# Altium PCB ZYNQ-7000_SOM_Bd.PcbDoc (part 4 of 6)
Units mm, origin at the board's own origin, x right, y up, seen from the top; angles counter-clockwise.
Board outline 69.6 x 45 mm, 8 copper layers (L1 (Sig), L2 (GND), L3 (PWR), L4 (Sig), L5 (GND), L6 (Sig), L7 (GND), L8 (Sig)), stack 1.188 mm thick; 246 components, 201 nets, 1392 pads, 883 vias.
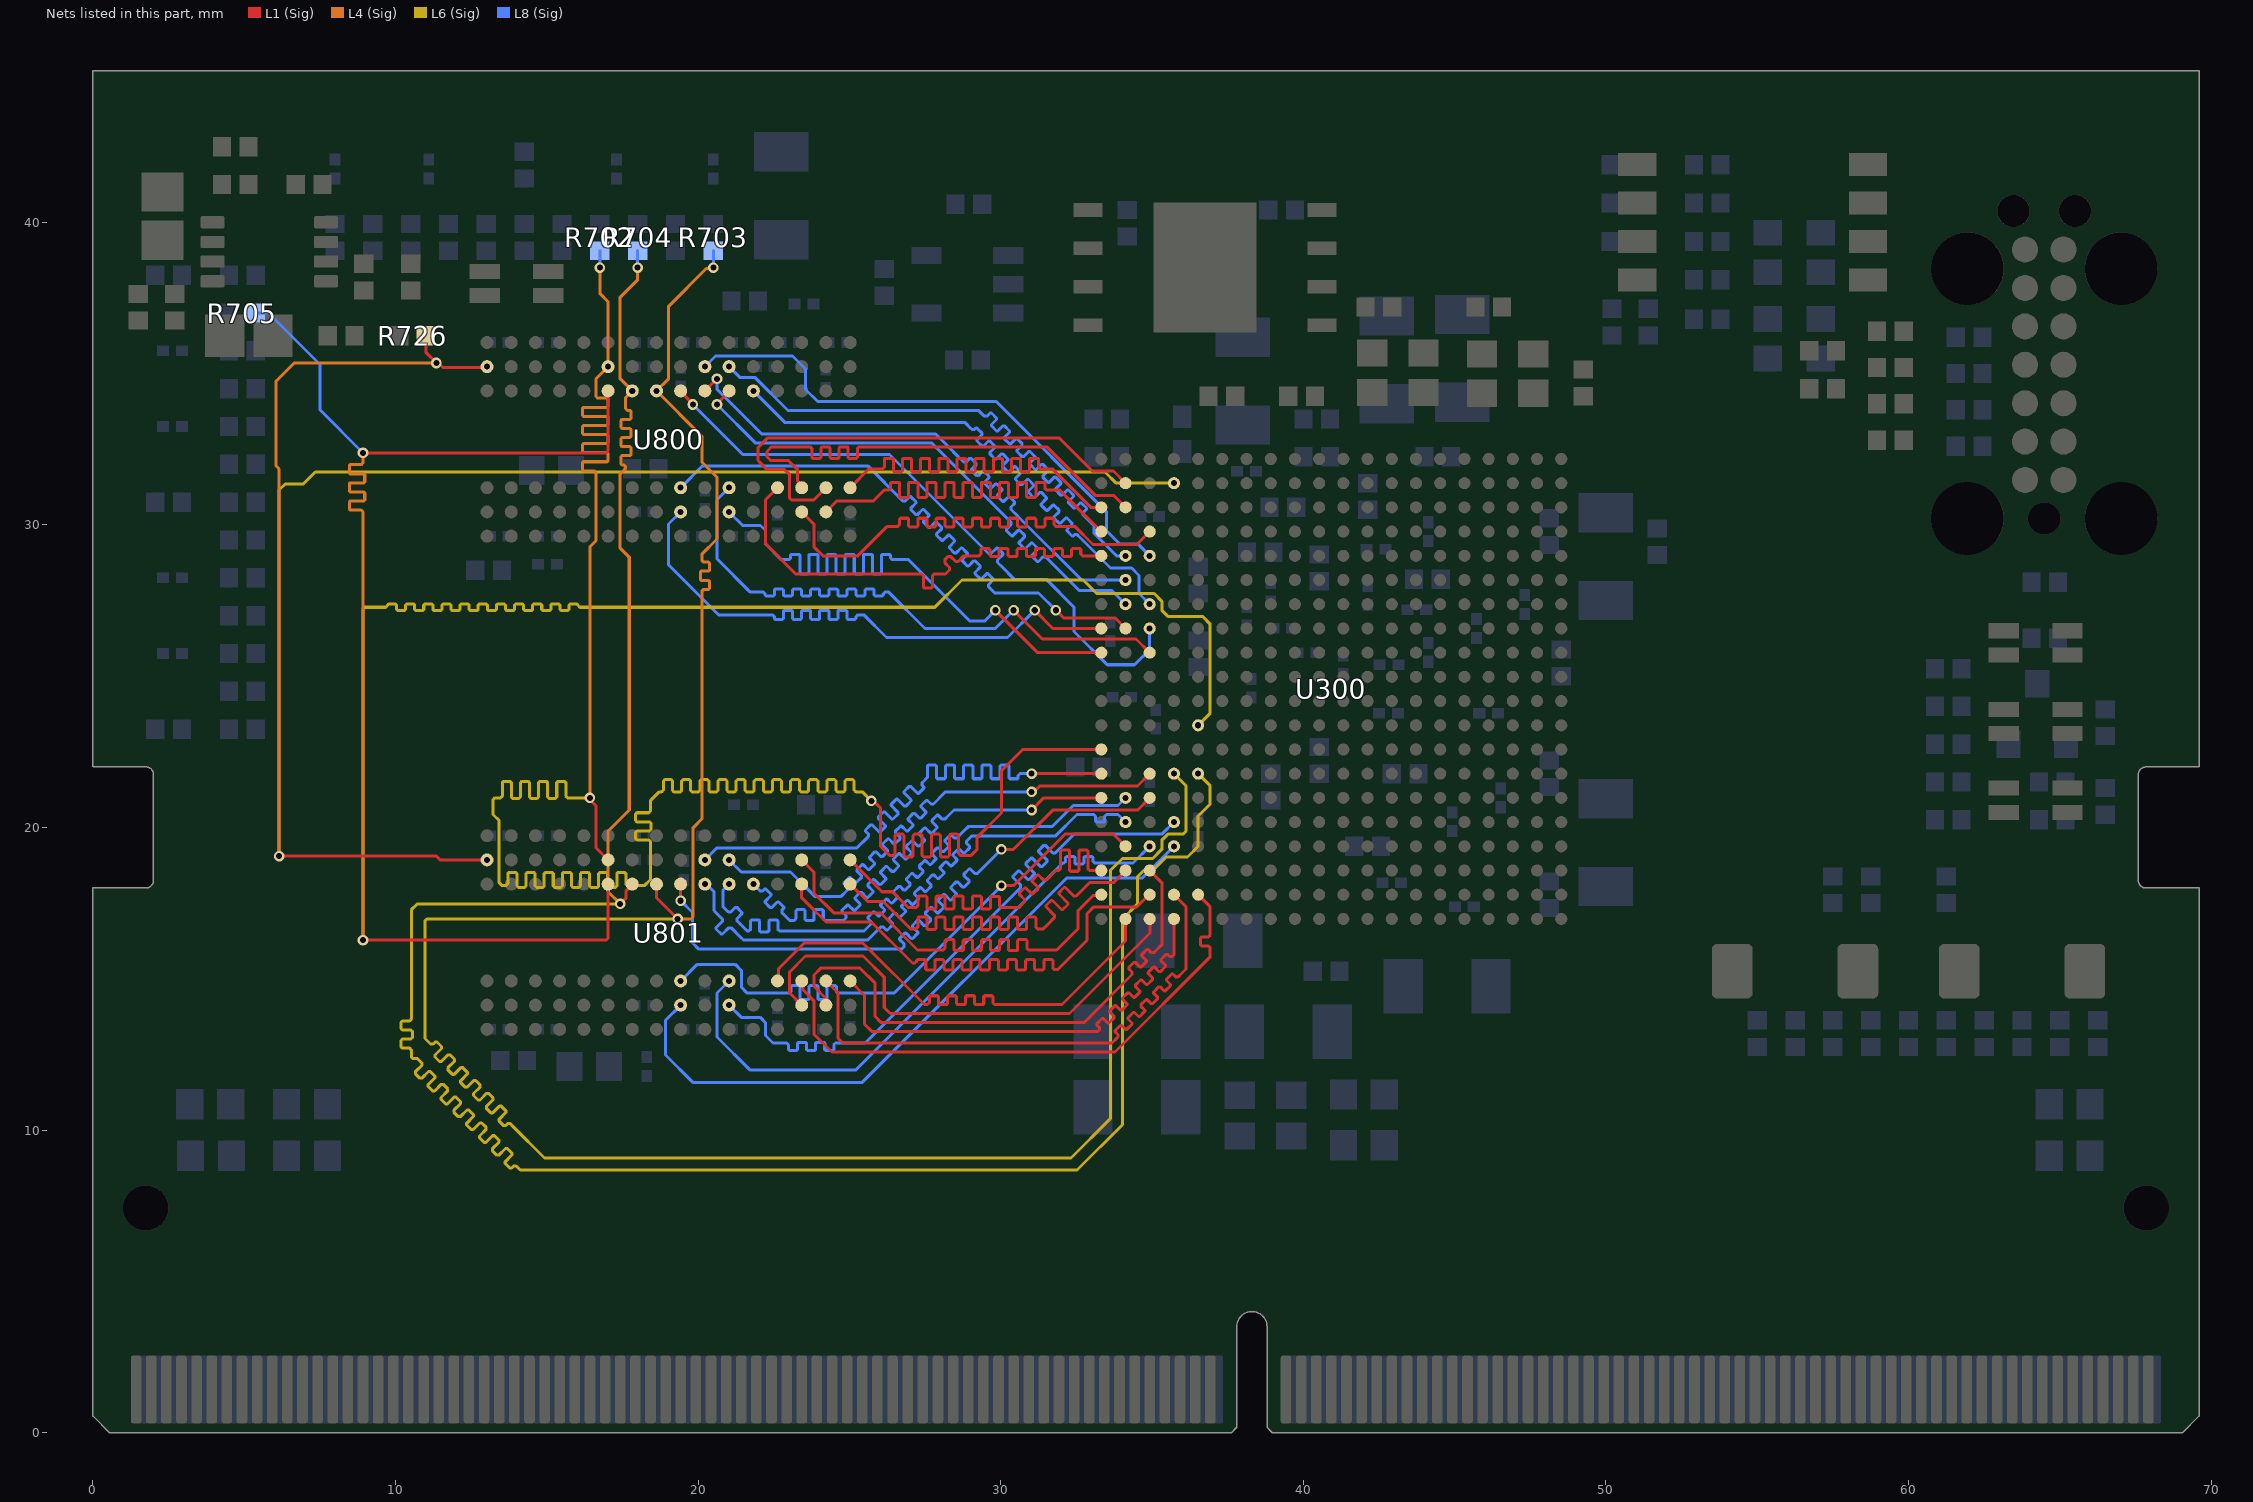
[diagram p10: the nets of this part, all layers, seen from the top]

## Via types
v1: diameter 0.35, hole 0.2, L1 (Sig) to L8 (Sig), tented both sides, 876 vias
v2: diameter 0.45, hole 0.3, L1 (Sig) to L8 (Sig), tented both sides, 7 vias

## Nets (pads, with @x,y where several pads share a name; then routed paths per layer and width w, separated by ;. In a path a pad name is that pad's centre, name@x,y a point inside that pad or via, vN(x,y) a via of type N, cw(c..) or ccw(c..) an arc to the next point about the centre after c; other vN are vias at no path point) (continued)
DDR_DQ4: U300.D3 U800.C8 | length 17.8
  L1 (Sig) w0.1: U800.C8@23.423,30.427 23.823,30.027 23.823,29.277 24.123,28.977 25.277,28.977 26.25,29.95 26.55,29.95 26.6,29.95 26.659,30.009 26.659,30.188 26.689,30.218 26.929,30.218 26.959,30.188 26.959,29.965 26.989,29.935 27.229,29.935 27.259,29.965 27.259,30.188 27.289,30.218 27.529,30.218 27.559,30.188 27.559,29.965 27.589,29.935 27.829,29.935 27.859,29.965 27.859,30.188 27.889,30.218 28.129,30.218 28.159,30.188 28.159,29.965 28.189,29.935 28.429,29.935 28.459,29.965 28.459,30.188 28.489,30.218 28.729,30.218 28.759,30.188 28.759,29.965 28.789,29.935 29.029,29.935 29.059,29.965 29.059,30.188 29.089,30.218 29.329,30.218 29.359,30.188 29.359,29.965 29.389,29.935 29.629,29.935 29.659,29.965 29.659,30.188 29.689,30.218 29.929,30.218 29.959,30.188 29.959,29.965 29.989,29.935 30.229,29.935 30.259,29.965 30.259,30.188 30.289,30.218 30.529,30.218 30.559,30.188 30.559,29.965 30.589,29.935 30.829,29.935 30.859,29.965 30.859,30.188 30.889,30.218 31.129,30.218 31.159,30.188 31.159,29.965 31.189,29.935 31.429,29.935 31.459,29.965 31.459,30.188 31.489,30.218 31.729,30.218 31.759,30.188 31.759,30.009 31.817,29.95 32.15,29.95 32.45,29.95 33.05,29.35 34.496,29.35 U300.D3@34.923,29.777
DDR_DQ5: U300.D1 U800.B8 | length 17.9
  L1 (Sig) w0.1: U800.B8@24.223,30.427 24.588,30.792 25.792,30.792 26.15,31.15 26.25,31.15 26.3,31.15 26.359,31.209 26.359,31.375 26.389,31.405 26.629,31.405 26.659,31.375 26.659,30.932 26.689,30.902 26.929,30.902 26.959,30.932 26.959,31.375 26.989,31.405 27.229,31.405 27.259,31.375 27.259,30.932 27.289,30.902 27.529,30.902 27.559,30.932 27.559,31.375 27.589,31.405 27.829,31.405 27.859,31.375 27.859,30.932 27.889,30.902 28.129,30.902 28.159,30.932 28.159,31.375 28.189,31.405 28.429,31.405 28.459,31.375 28.459,30.932 28.489,30.902 28.729,30.902 28.759,30.932 28.759,31.375 28.789,31.405 29.029,31.405 29.059,31.375 29.059,30.932 29.089,30.902 29.329,30.902 29.359,30.932 29.359,31.375 29.389,31.405 29.629,31.405 29.659,31.375 29.659,30.932 29.689,30.902 29.929,30.902 29.959,30.932 29.959,31.375 29.989,31.405 30.229,31.405 30.259,31.375 30.259,30.932 30.289,30.902 30.529,30.902 30.559,30.932 30.559,31.375 30.589,31.405 30.829,31.405 30.859,31.375 30.859,30.932 30.889,30.902 31.129,30.902 31.159,30.932 31.159,31.375 31.189,31.405 31.429,31.405 31.459,31.375 31.459,31.209 31.517,31.15 31.85,31.15 31.95,31.15 32.35,30.75 U300.D1@33.323,29.777
DDR_DQ6: U300.C1 U800.A7 | length 16.3
  L1 (Sig) w0.1: U800.A7@25.023,31.227 25.646,31.85 26.044,31.85 26.094,31.85 26.152,31.909 26.152,32.168 26.182,32.198 26.422,32.198 26.452,32.168 26.452,31.782 26.482,31.752 26.722,31.752 26.752,31.782 26.752,32.168 26.782,32.198 27.022,32.198 27.052,32.168 27.052,31.782 27.082,31.752 27.322,31.752 27.352,31.782 27.352,32.168 27.382,32.198 27.622,32.198 27.652,32.168 27.652,31.782 27.682,31.752 27.922,31.752 27.952,31.782 27.952,32.168 27.982,32.198 28.222,32.198 28.252,32.168 28.252,31.782 28.282,31.752 28.522,31.752 28.552,31.782 28.552,32.168 28.582,32.198 28.822,32.198 28.852,32.168 28.852,31.782 28.882,31.752 29.122,31.752 29.152,31.782 29.152,32.168 29.182,32.198 29.422,32.198 29.452,32.168 29.452,31.782 29.482,31.752 29.722,31.752 29.752,31.782 29.752,32.168 29.782,32.198 30.022,32.198 30.052,32.168 30.052,31.782 30.082,31.752 30.322,31.752 30.352,31.782 30.352,32.168 30.382,32.198 30.622,32.198 30.652,32.168 30.652,31.782 30.682,31.752 30.922,31.752 30.952,31.782 30.952,32.168 30.982,32.198 31.222,32.198 31.252,32.168 31.252,31.909 31.311,31.85 31.45,31.85 31.7,31.85 32.972,30.577 U300.C1@33.323,30.577
DDR_DQ7: U300.E1 U800.D7 | length 17.8
  L1 (Sig) w0.1: U800.D7@22.623,31.227 22.223,30.827 22.223,29.377 23.223,28.377 26.75,28.377 27.383,28.377 27.441,28.319 27.441,27.942 27.471,27.912 27.711,27.912 27.741,27.942 27.741,28.319 27.8,28.377 27.85,28.377 28.177,28.377 28.309,28.509 28.309,28.591 28.15,28.75 28.15,28.85 28.25,28.95 28.35,28.95 28.508,28.792 28.591,28.792 28.777,28.977 28.871,28.977 29.285,28.977 29.343,29.036 29.343,29.188 29.373,29.218 29.613,29.218 29.643,29.188 29.643,28.989 29.673,28.959 29.913,28.959 29.943,28.989 29.943,29.188 29.973,29.218 30.213,29.218 30.243,29.188 30.243,28.989 30.273,28.959 30.513,28.959 30.543,28.989 30.543,29.188 30.573,29.218 30.813,29.218 30.843,29.188 30.843,28.989 30.873,28.959 31.113,28.959 31.143,28.989 31.143,29.188 31.173,29.218 31.413,29.218 31.443,29.188 31.443,28.989 31.473,28.959 31.713,28.959 31.743,28.989 31.743,29.188 31.773,29.218 32.013,29.218 32.043,29.188 32.043,28.989 32.073,28.959 32.313,28.959 32.343,28.989 32.343,29.188 32.373,29.218 32.613,29.218 32.643,29.188 32.643,29.036 32.702,28.977 33.002,28.977 33.052,28.977 U300.E1@33.323,28.977
DDR_DQ8: U300.E2 U800.F2 | length 19.9
  L8 (Sig) w0.1: v1(21.023,35.227) 21.375,34.875 21.873,34.875 22.971,33.777 28.6,33.777 ; 28.6,33.775 29.275,33.775 29.425,33.625 29.46,33.59 29.543,33.59 29.649,33.696 29.692,33.696 29.861,33.526 29.861,33.483 29.692,33.314 29.692,33.271 29.861,33.102 29.904,33.102 30.073,33.271 30.116,33.271 30.286,33.102 30.286,33.059 30.116,32.889 30.116,32.847 30.286,32.677 30.328,32.677 30.498,32.847 30.54,32.847 30.71,32.677 30.71,32.635 30.54,32.465 30.54,32.423 30.71,32.253 30.752,32.253 30.922,32.423 30.964,32.423 31.134,32.253 31.134,32.211 30.964,32.041 30.964,31.999 31.134,31.829 31.176,31.829 31.346,31.999 31.389,31.999 31.558,31.829 31.558,31.786 31.389,31.617 31.389,31.574 31.558,31.405 31.601,31.405 31.77,31.574 31.813,31.574 31.983,31.405 31.983,31.362 31.813,31.192 31.813,31.15 31.983,30.98 32.025,30.98 32.195,31.15 32.237,31.15 32.407,30.98 32.407,30.938 32.237,30.768 32.237,30.726 32.407,30.556 32.449,30.556 32.619,30.726 32.661,30.726 32.831,30.556 32.831,30.514 32.725,30.408 32.725,30.325 32.963,30.088 33.088,29.963 33.088,29.713 33.823,28.977 v1(34.123,28.977)
DDR_DQ9: U300.E3 U800.G2 | length 18.3
  L8 (Sig) w0.1: v1(20.223,35.227) 20.575,35.579 23.121,35.579 23.55,35.15 23.55,34.475 23.95,34.075 29.1,34.075 29.85,34.075 33.488,30.438 33.488,29.813 33.925,29.375 34.525,29.375 v1(34.923,28.977)
DDR_DQ10: U300.G3 U800.E3 | length 20.5
  L8 (Sig) w0.1: v1(21.823,34.427) 22.875,33.375 28.825,33.375 29.013,33.188 29.048,33.152 29.131,33.152 29.174,33.196 29.217,33.196 29.386,33.026 29.386,32.983 29.217,32.814 29.217,32.771 29.386,32.602 29.429,32.602 29.598,32.771 29.641,32.771 29.811,32.602 29.811,32.559 29.641,32.389 29.641,32.347 29.811,32.177 29.853,32.177 30.023,32.347 30.065,32.347 30.235,32.177 30.235,32.135 30.065,31.965 30.065,31.923 30.235,31.753 30.277,31.753 30.447,31.923 30.489,31.923 30.659,31.753 30.659,31.711 30.489,31.541 30.489,31.499 30.659,31.329 30.701,31.329 30.871,31.499 30.914,31.499 31.083,31.329 31.083,31.286 30.914,31.117 30.914,31.074 31.083,30.905 31.126,30.905 31.295,31.074 31.338,31.074 31.508,30.905 31.508,30.862 31.338,30.692 31.338,30.65 31.508,30.48 31.55,30.48 31.72,30.65 31.762,30.65 31.932,30.48 31.932,30.438 31.762,30.268 31.762,30.226 31.932,30.056 31.974,30.056 32.144,30.226 32.186,30.226 32.356,30.056 32.356,30.014 32.186,29.844 32.186,29.801 32.356,29.632 32.399,29.632 32.442,29.675 32.525,29.675 32.618,29.582 32.653,29.547 33.625,28.575 34.325,28.575 34.571,28.329 34.571,27.729 v1(34.923,27.377)
DDR_DQ11: U300.H3 U800.H3 | length 21.2
  L1 (Sig) w0.1: U800.H3@19.423,34.427 19.423,34.402 19.823,34.002 v1(19.823,33.977)
  L8 (Sig) w0.1: v1(19.823,33.977) 21.475,32.325 26.325,32.325 29.563,29.088 29.598,29.052 29.681,29.052 29.857,29.229 29.9,29.229 30.069,29.059 30.069,29.016 29.893,28.84 29.893,28.757 30.038,28.612 30.45,28.2 31.5,28.2 32.423,27.277 32.423,26.477 33.523,25.377 34.423,25.377 34.923,25.877 v1(34.923,26.577)
DDR_DQ12: U300.J3 U800.F7 | length 21
  L1 (Sig) w0.1: v1(30.423,27.177) 31.373,26.227 34.473,26.227 U300.J3@34.923,25.777
  L8 (Sig) w0.1: v1(21.023,31.227) 20.623,30.827 20.623,28.877 21.725,27.775 21.85,27.775 22.158,27.775 22.216,27.716 22.216,27.682 22.246,27.652 22.486,27.652 22.516,27.682 22.516,27.845 22.546,27.875 22.786,27.875 22.816,27.845 22.816,27.682 22.846,27.652 23.086,27.652 23.116,27.682 23.116,27.845 23.146,27.875 23.386,27.875 23.416,27.845 23.416,27.682 23.446,27.652 23.686,27.652 23.716,27.682 23.716,27.845 23.746,27.875 23.986,27.875 24.016,27.845 24.016,27.682 24.046,27.652 24.286,27.652 24.316,27.682 24.316,27.845 24.346,27.875 24.586,27.875 24.616,27.845 24.616,27.682 24.646,27.652 24.886,27.652 24.916,27.682 24.916,27.845 24.946,27.875 25.186,27.875 25.216,27.845 25.216,27.682 25.246,27.652 25.486,27.652 25.516,27.682 25.516,27.845 25.546,27.875 25.786,27.875 25.816,27.845 25.816,27.682 25.846,27.652 26.086,27.652 26.116,27.682 26.116,27.716 26.175,27.775 26.225,27.775 26.3,27.775 27.498,26.577 29.823,26.577 v1(30.423,27.177)
DDR_DQ13: U300.H2 U800.H7 | length 20.9
  L1 (Sig) w0.1: v1(31.823,27.177) 32.073,26.927 33.773,26.927 U300.H2@34.123,26.577
  L8 (Sig) w0.1: v1(19.423,31.227) 20.146,31.95 25.6,31.95 26.726,30.824 26.761,30.789 26.844,30.789 26.988,30.932 27.03,30.932 27.2,30.762 27.2,30.72 27.03,30.55 27.03,30.508 27.2,30.338 27.242,30.338 27.412,30.508 27.454,30.508 27.624,30.338 27.624,30.296 27.454,30.126 27.454,30.084 27.624,29.914 27.666,29.914 27.836,30.084 27.878,30.084 28.048,29.914 28.048,29.872 27.878,29.702 27.878,29.659 28.048,29.49 28.091,29.49 28.26,29.659 28.303,29.659 28.472,29.49 28.472,29.447 28.303,29.278 28.303,29.235 28.472,29.065 28.515,29.065 28.685,29.235 28.727,29.235 28.897,29.065 28.897,29.023 28.727,28.853 28.727,28.811 28.897,28.641 28.939,28.641 29.109,28.811 29.151,28.811 29.321,28.641 29.321,28.599 29.151,28.429 29.151,28.387 29.321,28.217 29.363,28.217 29.533,28.387 29.576,28.387 29.745,28.217 29.745,28.174 29.602,28.031 29.602,27.948 29.7,27.85 29.8,27.75 31.25,27.75 v1(31.823,27.177)
DDR_DQ14: U300.H1 U800.H8 | length 20.1
  L1 (Sig) w0.1: v1(31.123,27.177) 31.723,26.577 U300.H1@33.323,26.577
  L8 (Sig) w0.1: v1(19.423,30.427) 19.023,30.027 19.023,28.677 20.675,27.025 22.2,27.025 22.458,27.025 22.516,26.966 22.516,26.905 22.546,26.875 22.786,26.875 22.816,26.905 22.816,27.145 22.846,27.175 23.086,27.175 23.116,27.145 23.116,26.905 23.146,26.875 23.386,26.875 23.416,26.905 23.416,27.145 23.446,27.175 23.686,27.175 23.716,27.145 23.716,26.905 23.746,26.875 23.986,26.875 24.016,26.905 24.016,27.145 24.046,27.175 24.286,27.175 24.316,27.145 24.316,26.905 24.346,26.875 24.586,26.875 24.616,26.905 24.616,27.145 24.646,27.175 24.886,27.175 24.916,27.145 24.916,26.905 24.946,26.875 25.186,26.875 25.216,26.905 25.216,26.966 25.275,27.025 25.325,27.025 25.475,27.025 26.223,26.277 30.223,26.277 v1(31.123,27.177)
DDR_DQ15: U300.J1 U800.F8 | length 21.1
  L1 (Sig) w0.1: v1(29.823,27.177) 31.223,25.777 U300.J1@33.323,25.777
  L8 (Sig) w0.1: v1(21.023,30.427) 21.471,29.979 22.062,29.979 22.225,29.816 22.225,29.375 22.75,28.85 22.95,28.85 23,28.85 23.059,28.909 23.059,28.996 23.089,29.026 23.329,29.026 23.359,28.996 23.359,28.409 23.389,28.379 23.629,28.379 23.659,28.409 23.659,28.996 23.689,29.026 23.929,29.026 23.959,28.996 23.959,28.409 23.989,28.379 24.229,28.379 24.259,28.409 24.259,28.996 24.289,29.026 24.529,29.026 24.559,28.996 24.559,28.409 24.589,28.379 24.829,28.379 24.859,28.409 24.859,28.996 24.889,29.026 25.129,29.026 25.159,28.996 25.159,28.409 25.189,28.379 25.429,28.379 25.459,28.409 25.459,28.996 25.489,29.026 25.729,29.026 25.759,28.996 25.759,28.409 25.789,28.379 26.029,28.379 26.059,28.409 26.059,28.996 26.089,29.026 26.329,29.026 26.359,28.996 26.359,28.909 26.417,28.85 26.75,28.85 26.95,28.85 28.975,26.825 29.471,26.825 v1(29.823,27.177)
DDR_DQ16: U300.P1 U801.G2 | length 21.2
  L1 (Sig) w0.1: v1(31.023,21.777) U300.P1@33.323,21.777
  L8 (Sig) w0.1: v1(20.223,18.927) 20.621,19.325 25.25,19.325 25.588,19.663 25.623,19.698 25.623,19.781 25.53,19.874 25.53,19.916 25.699,20.086 25.742,20.086 25.974,19.854 26.016,19.854 26.186,20.024 26.186,20.066 25.954,20.298 25.954,20.341 26.124,20.51 26.166,20.51 26.398,20.278 26.44,20.278 26.61,20.448 26.61,20.49 26.378,20.722 26.378,20.765 26.548,20.935 26.59,20.935 26.822,20.703 26.865,20.703 27.034,20.872 27.034,20.915 26.803,21.147 26.803,21.189 26.972,21.359 27.015,21.359 27.247,21.127 27.289,21.127 27.459,21.297 27.459,21.339 27.403,21.395 27.403,21.478 27.463,21.538 27.525,21.6 27.575,21.65 27.575,22.026 27.605,22.056 27.845,22.056 27.875,22.026 27.875,21.64 27.905,21.61 28.145,21.61 28.175,21.64 28.175,22.026 28.205,22.056 28.445,22.056 28.475,22.026 28.475,21.64 28.505,21.61 28.745,21.61 28.775,21.64 28.775,22.026 28.805,22.056 29.045,22.056 29.075,22.026 29.075,21.64 29.105,21.61 29.345,21.61 29.375,21.64 29.375,22.026 29.405,22.056 29.645,22.056 29.675,22.026 29.675,21.64 29.705,21.61 29.945,21.61 29.975,21.64 29.975,22.026 30.005,22.056 30.245,22.056 30.275,22.026 30.275,21.64 30.305,21.61 30.545,21.61 30.575,21.64 30.575,21.719 30.634,21.777 30.7,21.777 v1(31.023,21.777)
DDR_DQ17: U300.P3 U801.F2 | length 19.5
  L1 (Sig) w0.1: v1(31.023,21.177) 31.09,21.177 31.286,21.372 34.518,21.372 U300.P3@34.923,21.777
  L8 (Sig) w0.1: v1(21.023,18.927) 21.425,18.525 23.05,18.525 23.85,17.725 24.725,17.725 24.9,17.9 24.935,17.935 24.935,18.018 24.818,18.135 24.818,18.177 24.988,18.347 25.031,18.347 25.191,18.187 25.233,18.187 25.403,18.357 25.403,18.399 25.243,18.559 25.243,18.602 25.412,18.771 25.455,18.771 25.615,18.611 25.657,18.611 25.827,18.781 25.827,18.823 25.667,18.984 25.667,19.026 25.837,19.196 25.879,19.196 26.039,19.036 26.082,19.036 26.251,19.205 26.251,19.248 26.091,19.408 26.091,19.45 26.261,19.62 26.303,19.62 26.464,19.46 26.506,19.46 26.676,19.63 26.676,19.672 26.516,19.832 26.516,19.875 26.685,20.044 26.728,20.044 26.888,19.884 26.93,19.884 27.1,20.054 27.1,20.096 26.94,20.256 26.94,20.299 27.11,20.469 27.152,20.469 27.312,20.308 27.354,20.308 27.524,20.478 27.524,20.521 27.364,20.681 27.364,20.723 27.534,20.893 27.576,20.893 27.693,20.776 27.776,20.776 28.154,21.154 28.177,21.177 v1(31.023,21.177)
DDR_DQ18: U300.R3 U801.H3 | length 22.6
  L1 (Sig) w0.1: v1(19.423,17.577) U801.H3@19.423,18.127 ; v1(30.023,19.277) 30.423,19.277 31.718,20.572 34.518,20.572 U300.R3@34.923,20.977
  L8 (Sig) w0.1: v1(19.423,17.577) 19.813,17.188 19.813,16.187 20.023,15.977 26.723,15.977 26.773,16.027 26.808,16.063 26.808,16.145 26.66,16.293 26.66,16.336 26.83,16.506 26.872,16.506 27.047,16.331 27.089,16.331 27.259,16.501 27.259,16.543 27.084,16.718 27.084,16.76 27.254,16.93 27.297,16.93 27.471,16.756 27.513,16.756 27.683,16.925 27.683,16.968 27.509,17.142 27.509,17.184 27.678,17.354 27.721,17.354 27.895,17.18 27.938,17.18 28.107,17.349 28.107,17.392 27.933,17.566 27.933,17.609 28.103,17.778 28.145,17.778 28.319,17.604 28.362,17.604 28.531,17.774 28.531,17.816 28.357,17.99 28.357,18.033 28.527,18.203 28.569,18.203 28.744,18.028 28.786,18.028 28.956,18.198 28.956,18.24 28.782,18.415 28.782,18.457 28.951,18.627 28.994,18.627 29.142,18.479 29.224,18.479 29.91,19.165 v1(30.023,19.277)
DDR_DQ19: U300.R1 U801.E3 | length 19.9
  L1 (Sig) w0.1: v1(31.023,20.577) 31.423,20.977 U300.R1@33.323,20.977
  L8 (Sig) w0.1: v1(21.823,18.127) 22.013,17.938 22.048,17.902 22.131,17.902 22.193,17.964 22.235,17.964 22.405,17.794 22.405,17.752 22.214,17.561 22.214,17.519 22.384,17.349 22.426,17.349 22.617,17.54 22.659,17.54 22.829,17.37 22.829,17.328 22.767,17.266 22.767,17.183 22.827,17.123 22.862,17.088 23.025,16.925 23.125,16.925 23.175,16.925 23.234,16.984 23.234,17.251 23.264,17.281 23.504,17.281 23.534,17.251 23.534,16.955 23.564,16.925 23.804,16.925 23.834,16.955 23.834,17.251 23.864,17.281 24.104,17.281 24.134,17.251 24.134,16.984 24.192,16.925 24.575,16.925 24.8,16.925 24.85,16.975 24.885,17.01 24.885,17.093 24.757,17.221 24.757,17.264 24.927,17.434 24.969,17.434 25.139,17.264 25.181,17.264 25.351,17.434 25.351,17.476 25.181,17.646 25.181,17.688 25.351,17.858 25.393,17.858 25.563,17.688 25.606,17.688 25.775,17.858 25.775,17.9 25.606,18.07 25.606,18.112 25.775,18.282 25.818,18.282 25.987,18.112 26.03,18.112 26.2,18.282 26.2,18.325 26.03,18.494 26.03,18.537 26.2,18.706 26.242,18.706 26.412,18.537 26.454,18.537 26.624,18.706 26.624,18.749 26.454,18.919 26.454,18.961 26.624,19.131 26.666,19.131 26.836,18.961 26.878,18.961 27.048,19.131 27.048,19.173 26.878,19.343 26.878,19.385 27.048,19.555 27.091,19.555 27.26,19.385 27.303,19.385 27.472,19.555 27.472,19.597 27.303,19.767 27.303,19.809 27.472,19.979 27.515,19.979 27.684,19.809 27.727,19.809 27.897,19.979 27.897,20.022 27.727,20.191 27.727,20.234 27.897,20.403 27.939,20.403 28.067,20.275 28.15,20.275 28.272,20.397 28.452,20.577 v1(31.023,20.577)
DDR_DQ20: U300.T4 U801.F8 | length 22.3
  L8 (Sig) w0.1: v1(21.023,14.127) 21.425,13.725 22.05,13.725 22.225,13.55 22.225,13.125 22.475,12.875 22.575,12.875 22.925,12.875 22.984,12.816 22.984,12.657 23.014,12.627 23.254,12.627 23.284,12.657 23.284,12.87 23.314,12.9 23.554,12.9 23.584,12.87 23.584,12.657 23.614,12.627 23.854,12.627 23.884,12.657 23.884,12.87 23.914,12.9 24.154,12.9 24.184,12.87 24.184,12.657 24.214,12.627 24.454,12.627 24.484,12.657 24.484,12.816 24.542,12.875 24.95,12.875 25.521,12.875 30.623,17.977 30.658,18.013 30.658,18.095 30.405,18.348 30.405,18.391 30.575,18.56 30.618,18.56 30.897,18.281 30.939,18.281 31.109,18.451 31.109,18.493 30.83,18.772 30.83,18.815 30.999,18.984 31.042,18.984 31.321,18.706 31.363,18.706 31.533,18.875 31.533,18.918 31.254,19.197 31.254,19.239 31.424,19.409 31.466,19.409 31.719,19.156 31.802,19.156 31.985,19.34 32.423,19.777 35.323,19.777 v1(35.723,20.177)
DDR_DQ21: U300.U4 U801.H8 | length 22.3
  L8 (Sig) w0.1: v1(19.423,14.127) 18.923,13.627 18.923,12.477 19.823,11.577 25.427,11.577 32.175,18.325 34.671,18.325 v1(35.723,19.377)
DDR_DQ22: U300.U2 U801.H7 | length 20.1
  L1 (Sig) w0.1: v1(30.023,18.077) 30.423,18.077 32.123,19.777 33.723,19.777 U300.U2@34.123,19.377
  L8 (Sig) w0.1: v1(19.423,14.927) 19.973,15.477 21.223,15.477 21.425,15.275 21.425,14.725 21.625,14.525 22.956,14.525 23.006,14.525 23.064,14.584 23.064,14.744 23.094,14.774 23.334,14.774 23.364,14.744 23.364,14.339 23.394,14.309 23.634,14.309 23.664,14.339 23.664,14.744 23.694,14.774 23.934,14.774 23.964,14.744 23.964,14.339 23.994,14.309 24.234,14.309 24.264,14.339 24.264,14.744 24.294,14.774 24.534,14.774 24.564,14.744 24.564,14.584 24.623,14.525 25.25,14.525 26.471,14.525 v1(30.023,18.077)
DDR_DQ23: U300.U3 U801.F7 | length 20.6
  L8 (Sig) w0.1: v1(21.023,14.927) 20.623,14.527 20.623,13.077 21.723,11.977 25.202,11.977 32.025,18.8 32.05,18.825 32.088,18.825 32.147,18.884 32.147,19.012 32.177,19.042 32.417,19.042 32.447,19.012 32.447,18.83 32.477,18.8 32.717,18.8 32.747,18.83 32.747,19.012 32.777,19.042 33.017,19.042 33.047,19.012 33.047,18.884 33.105,18.825 33.455,18.825 34.371,18.825 v1(34.923,19.377)
DDR_DQ24: U300.V1 U801.A2 | length 17
  L1 (Sig) w0.1: U801.A2@25.023,18.927 26.075,17.875 26.425,17.875 26.95,17.35 27.15,17.35 27.2,17.35 27.259,17.409 27.259,17.703 27.289,17.733 27.529,17.733 27.559,17.703 27.559,17.333 27.589,17.303 27.829,17.303 27.859,17.333 27.859,17.703 27.889,17.733 28.129,17.733 28.159,17.703 28.159,17.333 28.189,17.303 28.429,17.303 28.459,17.333 28.459,17.703 28.489,17.733 28.729,17.733 28.759,17.703 28.759,17.333 28.789,17.303 29.029,17.303 29.059,17.333 29.059,17.703 29.089,17.733 29.329,17.733 29.359,17.703 29.359,17.333 29.389,17.303 29.629,17.303 29.659,17.333 29.659,17.695 29.689,17.725 29.929,17.725 29.959,17.695 29.959,17.409 30.017,17.35 30.434,17.35 30.596,17.35 30.748,17.502 30.783,17.538 30.783,17.62 30.614,17.79 30.614,17.832 30.783,18.002 30.826,18.002 31.023,17.805 31.065,17.805 31.235,17.975 31.235,18.017 31.038,18.214 31.038,18.257 31.208,18.426 31.25,18.426 31.42,18.257 31.502,18.257 31.761,18.515 31.823,18.577 31.87,18.577 31.92,18.577 31.979,18.636 31.979,19.223 32.009,19.253 32.249,19.253 32.279,19.223 32.279,18.582 32.309,18.552 32.549,18.552 32.579,18.582 32.579,19.223 32.609,19.253 32.849,19.253 32.879,19.223 32.879,18.636 32.937,18.577 33.123,18.577 U300.V1@33.323,18.577
DDR_DQ25: U300.Y3 U801.C8 | length 16.3
  L1 (Sig) w0.1: U801.C8@23.423,14.127 23.023,14.527 23.023,15.223 23.55,15.75 25.45,15.75 26.15,15.05 26.15,14.05 26.35,13.85 32.275,13.85 34.934,16.509 34.934,16.966 U300.Y3@34.923,16.977
DDR_DQ26: U300.W1 U801.C2 | length 15.9
  L1 (Sig) w0.1: U801.C2@23.423,18.927 23.823,18.527 23.823,17.836 24.481,17.177 26.023,17.177 27.25,15.95 28.052,15.95 28.102,15.95 28.161,16.009 28.161,16.266 28.191,16.296 28.431,16.296 28.461,16.266 28.461,15.956 28.491,15.926 28.731,15.926 28.761,15.956 28.761,16.266 28.791,16.296 29.031,16.296 29.061,16.266 29.061,15.956 29.091,15.926 29.331,15.926 29.361,15.956 29.361,16.266 29.391,16.296 29.631,16.296 29.661,16.266 29.661,15.956 29.691,15.926 29.931,15.926 29.961,15.956 29.961,16.266 29.991,16.296 30.231,16.296 30.261,16.266 30.261,15.956 30.291,15.926 30.531,15.926 30.561,15.956 30.561,16.266 30.591,16.296 30.831,16.296 30.861,16.266 30.861,16.009 30.919,15.95 31.527,15.95 31.85,15.95 32.55,16.65 32.55,17.25 33.053,17.753 33.298,17.753 U300.W1@33.323,17.777
DDR_DQ27: U300.Y4 U801.A7 | length 16.8
  L1 (Sig) w0.1: U801.A7@25.023,14.927 25.5,14.45 25.5,13.5 25.75,13.25 33.129,13.25 33.2,13.25 33.258,13.309 33.258,13.391 33.176,13.474 33.176,13.517 33.345,13.686 33.388,13.686 33.536,13.538 33.578,13.538 33.748,13.708 33.748,13.75 33.6,13.898 33.6,13.941 33.769,14.11 33.812,14.11 33.96,13.962 34.003,13.962 34.172,14.132 34.172,14.174 34.024,14.323 34.024,14.365 34.194,14.535 34.236,14.535 34.384,14.387 34.427,14.387 34.597,14.556 34.597,14.599 34.448,14.747 34.448,14.789 34.618,14.959 34.66,14.959 34.809,14.811 34.851,14.811 35.021,14.981 35.021,15.023 34.873,15.171 34.873,15.214 35.042,15.383 35.085,15.383 35.233,15.235 35.275,15.235 35.445,15.405 35.445,15.447 35.297,15.595 35.297,15.638 35.467,15.808 35.509,15.808 35.581,15.735 35.664,15.735 35.723,15.794 35.723,16.08 U300.Y4@35.723,16.977
DDR_DQ28: U300.Y2 U801.D7 | length 16.7
  L1 (Sig) w0.1: U801.D7@22.623,14.927 22.655,14.959 22.655,15.334 23.498,16.177 25.45,16.177 27.477,14.15 27.529,14.15 27.579,14.15 27.638,14.209 27.638,14.409 27.668,14.439 27.908,14.439 27.938,14.409 27.938,14.175 27.968,14.145 28.208,14.145 28.238,14.175 28.238,14.409 28.268,14.439 28.508,14.439 28.538,14.409 28.538,14.175 28.568,14.145 28.808,14.145 28.838,14.175 28.838,14.409 28.868,14.439 29.108,14.439 29.138,14.409 29.138,14.175 29.168,14.145 29.408,14.145 29.438,14.175 29.438,14.409 29.468,14.439 29.708,14.439 29.738,14.409 29.738,14.209 29.796,14.15 30.15,14.15 32.025,14.15 34.123,16.248 U300.Y2@34.123,16.977
DDR_DQ29: U300.W3 U801.C3 | length 19
  L1 (Sig) w0.1: U801.C3@23.423,18.127 23.423,17.677 24.223,16.877 25.723,16.877 26.997,15.603 27.08,15.52 27.163,15.52 27.222,15.578 27.222,15.6 27.252,15.63 27.492,15.63 27.522,15.6 27.522,15.321 27.552,15.291 27.792,15.291 27.822,15.321 27.822,15.6 27.852,15.63 28.092,15.63 28.122,15.6 28.122,15.321 28.152,15.291 28.392,15.291 28.422,15.321 28.422,15.6 28.452,15.63 28.692,15.63 28.722,15.6 28.722,15.321 28.752,15.291 28.992,15.291 29.022,15.321 29.022,15.6 29.052,15.63 29.292,15.63 29.322,15.6 29.322,15.321 29.352,15.291 29.592,15.291 29.622,15.321 29.622,15.6 29.652,15.63 29.892,15.63 29.922,15.6 29.922,15.321 29.952,15.291 30.192,15.291 30.222,15.321 30.222,15.6 30.252,15.63 30.492,15.63 30.522,15.6 30.522,15.321 30.552,15.291 30.792,15.291 30.822,15.321 30.822,15.6 30.852,15.63 31.092,15.63 31.122,15.6 31.122,15.321 31.152,15.291 31.392,15.291 31.422,15.321 31.422,15.6 31.452,15.63 31.692,15.63 31.722,15.6 31.722,15.359 31.78,15.3 31.875,15.3 32.072,15.497 32.85,16.275 32.85,17.15 33.075,17.375 34.5,17.375 34.902,17.777 U300.W3@34.923,17.777
DDR_DQ30: U300.V2 U801.A3 | length 17.5
  L1 (Sig) w0.1: U801.A3@25.023,18.127 25.6,17.55 26.117,17.55 27.017,16.65 27.15,16.65 27.2,16.65 27.259,16.709 27.259,17.013 27.289,17.043 27.529,17.043 27.559,17.013 27.559,16.66 27.589,16.63 27.829,16.63 27.859,16.66 27.859,17.013 27.889,17.043 28.129,17.043 28.159,17.013 28.159,16.66 28.189,16.63 28.429,16.63 28.459,16.66 28.459,17.013 28.489,17.043 28.729,17.043 28.759,17.013 28.759,16.66 28.789,16.63 29.029,16.63 29.059,16.66 29.059,17.013 29.089,17.043 29.329,17.043 29.359,17.013 29.359,16.66 29.389,16.63 29.629,16.63 29.659,16.66 29.659,17.013 29.689,17.043 29.929,17.043 29.959,17.013 29.959,16.66 29.989,16.63 30.229,16.63 30.259,16.66 30.259,17.013 30.289,17.043 30.529,17.043 30.559,17.013 30.559,16.66 30.589,16.63 30.829,16.63 30.859,16.66 30.859,17.013 30.889,17.043 31.129,17.043 31.159,17.013 31.159,16.709 31.217,16.65 31.404,16.65 31.55,16.796 31.737,16.983 31.773,17.018 31.773,17.101 31.498,17.376 31.498,17.419 31.667,17.588 31.71,17.588 32.011,17.288 32.053,17.288 32.223,17.457 32.223,17.5 31.922,17.801 31.922,17.843 32.091,18.013 32.134,18.013 32.409,17.738 32.492,17.738 32.815,18.06 32.931,18.177 33.723,18.177 U300.V2@34.123,18.577
DDR_DQ31: U300.V3 U801.B8 | length 18.7
  L1 (Sig) w0.1: U801.B8@24.223,14.127 24.225,14.129 24.225,14.35 23.825,14.75 23.825,15.125 24.05,15.35 25.35,15.35 25.85,14.85 25.85,13.75 26.05,13.55 32.75,13.55 34.305,15.105 34.341,15.141 34.341,15.223 34.234,15.33 34.234,15.372 34.404,15.542 34.446,15.542 34.596,15.392 34.638,15.392 34.808,15.562 34.808,15.605 34.658,15.754 34.658,15.797 34.828,15.966 34.871,15.966 34.977,15.86 35.06,15.86 35.15,15.95 35.323,16.123 35.323,18.177 U300.V3@34.923,18.577
DDR_DQS0_N: U300.B2 U800.B7 | length 16.7
  L1 (Sig) w0.1: U800.B7@24.223,31.227 23.821,30.825 23.084,30.825 23.025,30.884 23.025,31.656 22.848,31.833 22.268,31.833 22.034,32.067 21.975,32.126 21.975,32.549 22.303,32.877 26.473,32.877 31.923,32.877 33.023,31.777 33.723,31.777 U300.B2@34.123,31.377
DDR_DQS0_P: U300.C2 U800.C7 | length 16.8
  L1 (Sig) w0.1: 22.334,32.191 22.392,32.133 22.973,32.133 23.288,31.817 23.288,31.451 23.423,31.316 U800.C7@23.423,31.227 ; 22.334,32.191 22.275,32.25 22.275,32.425 22.427,32.577 23.35,32.577 23.7,32.577 23.759,32.519 23.759,32.223 23.789,32.193 24.029,32.193 24.059,32.223 24.059,32.547 24.089,32.577 24.329,32.577 24.359,32.547 24.359,32.223 24.389,32.193 24.629,32.193 24.659,32.223 24.659,32.547 24.689,32.577 24.929,32.577 24.959,32.547 24.959,32.223 24.989,32.193 25.229,32.193 25.259,32.223 25.259,32.519 25.317,32.577 25.85,32.577 31.523,32.577 33.123,30.977 33.723,30.977 U300.C2@34.123,30.577
DDR_DQS1_N: U300.F2 U800.G3 | length 18.8
  L1 (Sig) w0.1: U800.G3@20.223,34.427 v1(20.623,34.827)
  L8 (Sig) w0.1: v1(20.623,34.827) 20.623,34.477 22.1,33 27.85,33 28.413,32.437 28.448,32.402 28.772,32.078 28.855,32.078 28.974,32.197 29.016,32.197 29.186,32.027 29.186,31.984 29.041,31.839 29.041,31.797 29.211,31.627 29.253,31.627 29.398,31.772 29.441,31.772 29.61,31.603 29.61,31.56 29.465,31.415 29.465,31.373 29.635,31.203 29.677,31.203 29.822,31.348 29.865,31.348 30.035,31.178 30.035,31.136 29.889,30.991 29.889,30.948 30.059,30.779 30.102,30.779 30.247,30.924 30.289,30.924 30.459,30.754 30.459,30.712 30.34,30.593 30.34,30.51 30.552,30.298 30.588,30.262 32.673,28.177 v1(34.123,28.177)
DDR_DQS1_P: U300.G2 U800.F3 | length 18.5
  L1 (Sig) w0.1: v1(20.623,33.977) 20.623,34.002 21.023,34.402 U800.F3@21.023,34.427
  L8 (Sig) w0.1: v1(20.623,33.977) 21.9,32.7 27.725,32.7 30.089,30.336 30.337,30.088 30.337,30.005 30.184,29.853 30.184,29.81 30.354,29.64 30.396,29.64 30.579,29.824 30.622,29.824 30.792,29.654 30.792,29.612 30.608,29.428 30.608,29.386 30.778,29.216 30.82,29.216 31.004,29.4 31.046,29.4 31.216,29.23 31.216,29.187 31.032,29.004 31.032,28.962 31.202,28.792 31.245,28.792 31.397,28.945 31.48,28.945 31.613,28.813 32.6,27.825 33.675,27.825 v1(34.123,27.377)
DDR_DQS2_N: U300.T2 U801.G3 | length 20.7
  L8 (Sig) w0.1: v1(20.223,18.127) 20.273,18.127 20.523,17.877 20.523,17.253 20.55,17.225 20.798,16.978 20.798,16.895 20.592,16.689 20.592,16.647 20.762,16.477 20.804,16.477 21.01,16.683 21.093,16.683 21.4,16.375 21.499,16.277 25.601,16.277 25.787,16.463 26.035,16.71 26.117,16.71 26.215,16.613 26.257,16.613 26.427,16.783 26.427,16.825 26.303,16.949 26.303,16.991 26.473,17.161 26.515,17.161 26.639,17.037 26.682,17.037 26.851,17.207 26.851,17.249 26.728,17.373 26.728,17.415 26.897,17.585 26.94,17.585 27.063,17.462 27.106,17.462 27.275,17.631 27.275,17.674 27.152,17.797 27.152,17.84 27.322,18.009 27.364,18.009 27.488,17.886 27.53,17.886 27.7,18.056 27.7,18.098 27.576,18.222 27.576,18.264 27.746,18.434 27.788,18.434 27.912,18.31 27.954,18.31 28.124,18.48 28.124,18.522 28,18.646 28,18.688 28.17,18.858 28.213,18.858 28.336,18.734 28.379,18.734 28.548,18.904 28.548,18.946 28.425,19.07 28.425,19.113 28.594,19.282 28.637,19.282 28.76,19.159 28.803,19.159 28.973,19.328 28.973,19.371 28.875,19.468 28.875,19.551 28.987,19.663 29.049,19.725 31.82,19.725 32.522,20.427 32.725,20.427 33.075,20.427 33.134,20.369 33.134,20.207 33.164,20.177 33.404,20.177 33.434,20.207 33.434,20.369 33.492,20.427 33.725,20.427 33.873,20.427 v1(34.123,20.177)
DDR_DQS2_P: U300.R2 U801.F3 | length 20.9
  L8 (Sig) w0.1: v1(21.023,18.127) 20.823,17.927 20.823,17.462 20.823,17.377 20.995,17.205 21.078,17.205 21.233,17.36 21.275,17.36 21.445,17.19 21.445,17.148 21.29,16.993 21.29,16.91 21.538,16.662 21.623,16.577 21.625,16.577 21.675,16.577 21.734,16.636 21.734,16.913 21.764,16.943 22.004,16.943 22.034,16.913 22.034,16.582 22.064,16.552 22.304,16.552 22.334,16.582 22.334,16.913 22.364,16.943 22.604,16.943 22.634,16.913 22.634,16.636 22.692,16.577 22.972,16.577 25.373,16.577 25.477,16.577 25.71,16.81 25.71,16.893 25.61,16.992 25.61,17.035 25.78,17.204 25.822,17.204 25.947,17.08 25.989,17.08 26.159,17.25 26.159,17.292 26.035,17.416 26.035,17.459 26.204,17.628 26.247,17.628 26.371,17.504 26.413,17.504 26.583,17.674 26.583,17.716 26.459,17.841 26.459,17.883 26.628,18.053 26.671,18.053 26.795,17.928 26.838,17.928 27.007,18.098 27.007,18.141 26.883,18.265 26.883,18.307 27.053,18.477 27.095,18.477 27.219,18.353 27.262,18.353 27.432,18.522 27.432,18.565 27.307,18.689 27.307,18.732 27.477,18.901 27.519,18.901 27.644,18.777 27.686,18.777 27.856,18.947 27.856,18.989 27.732,19.113 27.732,19.156 27.901,19.326 27.944,19.326 28.068,19.201 28.11,19.201 28.28,19.371 28.28,19.413 28.156,19.538 28.156,19.58 28.326,19.75 28.368,19.75 28.467,19.65 28.55,19.65 28.798,19.898 28.925,20.025 31.696,20.025 32.398,20.727 33.873,20.727 v1(34.123,20.977)
DDR_DQS3_N: U300.W4 U801.B7 | length 19.3
  L1 (Sig) w0.1: U801.B7@24.223,14.927 24.623,14.527 24.623,13.036 24.781,12.877 33.677,12.877 33.838,13.037 33.873,13.073 33.873,13.156 33.782,13.246 33.782,13.289 33.952,13.458 33.994,13.458 34.125,13.328 34.167,13.328 34.337,13.497 34.337,13.54 34.207,13.671 34.207,13.713 34.376,13.883 34.419,13.883 34.549,13.752 34.592,13.752 34.761,13.922 34.761,13.964 34.631,14.095 34.631,14.137 34.801,14.307 34.843,14.307 34.974,14.176 35.016,14.176 35.186,14.346 35.186,14.388 35.055,14.519 35.055,14.562 35.225,14.731 35.267,14.731 35.398,14.601 35.44,14.601 35.61,14.77 35.61,14.813 35.479,14.943 35.479,14.986 35.649,15.155 35.691,15.155 35.782,15.065 35.865,15.065 35.988,15.188 36.123,15.323 36.123,17.377 U300.W4@35.723,17.777
DDR_DQS3_P: U300.W5 U801.C7 | length 19.3
  L1 (Sig) w0.1: U801.C7@23.423,14.927 23.467,14.883 23.467,14.633 23.823,14.277 23.823,13.177 24.423,12.577 33.777,12.577 36.923,15.723 36.923,15.975 36.923,16.025 36.864,16.084 36.634,16.084 36.604,16.114 36.604,16.354 36.634,16.384 36.864,16.384 36.923,16.442 36.923,16.653 36.923,17.377 U300.W5@36.523,17.777
DDR_NCAS: R704.1 U300.P5 U800.K3 U801.K3 | length 83
  L1 (Sig) w0.1: v1(17.423,17.477) 17.623,17.677 17.623,17.904 17.823,18.104 U801.K3@17.823,18.127
  L4 (Sig) w0.1: v1(17.423,17.477) 17.023,17.877 17.023,19.877 17.723,20.577 17.723,28.929 17.423,29.229 17.423,31.677 17.599,31.853 17.599,31.877 17.599,31.927 17.54,31.986 17.479,31.986 17.449,32.016 17.449,32.256 17.479,32.286 17.748,32.286 17.778,32.316 17.778,32.556 17.748,32.586 17.479,32.586 17.449,32.616 17.449,32.856 17.479,32.886 17.748,32.886 17.778,32.916 17.778,33.156 17.748,33.186 17.479,33.186 17.449,33.216 17.449,33.456 17.479,33.486 17.748,33.486 17.778,33.516 17.778,33.756 17.748,33.786 17.657,33.786 17.599,33.844 17.599,34.178 17.599,34.203 v1(17.823,34.427) 17.424,34.826 17.424,37.524 18,38.1 v1(18,38.5)
  L6 (Sig) w0.1: v1(17.423,17.477) 10.723,17.477 10.523,17.277 10.523,13.777 10.523,13.665 10.464,13.607 10.223,13.607 10.178,13.562 10.178,13.352 10.223,13.307 10.51,13.307 10.555,13.262 10.555,13.052 10.51,13.007 10.223,13.007 10.178,12.962 10.178,12.752 10.223,12.707 10.464,12.707 10.523,12.648 10.523,12.598 10.523,12.416 10.581,12.358 10.725,12.358 10.874,12.209 10.874,12.146 10.654,11.926 10.654,11.863 10.803,11.714 10.867,11.714 11.086,11.933 11.149,11.933 11.298,11.785 11.298,11.721 11.079,11.502 11.079,11.438 11.227,11.29 11.291,11.29 11.51,11.509 11.574,11.509 11.722,11.361 11.722,11.297 11.503,11.078 11.503,11.014 11.651,10.866 11.715,10.866 11.934,11.085 11.998,11.085 12.146,10.936 12.146,10.873 11.927,10.654 11.927,10.59 12.076,10.441 12.139,10.441 12.359,10.661 12.422,10.661 12.571,10.512 12.571,10.449 12.351,10.229 12.351,10.166 12.5,10.017 12.564,10.017 12.783,10.236 12.846,10.236 12.995,10.088 12.995,10.024 12.776,9.805 12.776,9.741 12.924,9.593 12.988,9.593 13.207,9.812 13.271,9.812 13.419,9.664 13.419,9.6 13.2,9.381 13.2,9.317 13.349,9.169 13.412,9.169 13.631,9.388 13.695,9.388 13.843,9.239 13.843,9.176 13.624,8.957 13.624,8.893 13.773,8.744 13.836,8.744 13.905,8.813 13.987,8.813 14.023,8.777 14.123,8.677 32.523,8.677 34.023,10.177 34.023,16.977 34.523,17.477 34.523,18.377 34.723,18.577 35.023,18.577 35.471,19.025 36.171,19.025 36.523,19.377 36.523,20.377 36.923,20.777 36.923,21.377 v1(36.523,21.777)
  L8 (Sig) w0.1: v1(18,38.5) R704.1@18,39.06
DDR_NCS: R702.1 U300.N1 U800.L2 U801.L2 | length 85.2
  L1 (Sig) w0.1: v1(16.423,20.977) 16.423,20.917 16.623,20.717 16.623,19.327 U801.L2@17.023,18.927 ; v1(25.723,20.877) 25.79,20.877 25.95,20.718 25.952,20.718 26.023,20.647 26.023,19.377 26.032,19.368 26.323,19.077 26.445,19.077 26.504,19.136 26.504,19.732 26.549,19.777 26.759,19.777 26.804,19.732 26.804,19.07 26.849,19.025 27.059,19.025 27.104,19.07 27.104,19.732 27.149,19.777 27.359,19.777 27.404,19.732 27.404,19.07 27.449,19.025 27.659,19.025 27.704,19.07 27.704,19.732 27.749,19.777 27.959,19.777 28.004,19.732 28.004,19.07 28.049,19.025 28.259,19.025 28.304,19.07 28.304,19.732 28.349,19.777 28.559,19.777 28.604,19.732 28.604,19.136 28.662,19.077 29.012,19.077 29.023,19.077 29.223,19.277 29.223,19.677 30.023,20.477 30.023,21.877 30.723,22.577 U300.N1@33.323,22.577
  L4 (Sig) w0.1: v1(16.423,20.977) 16.423,29.277 16.623,29.477 16.623,31.677 16.623,31.727 16.564,31.786 16.207,31.786 16.177,31.816 16.177,32.056 16.207,32.086 16.993,32.086 17.023,32.116 17.023,32.356 16.993,32.386 16.207,32.386 16.177,32.416 16.177,32.656 16.207,32.686 16.993,32.686 17.023,32.716 17.023,32.956 16.993,32.986 16.207,32.986 16.177,33.016 16.177,33.256 16.207,33.286 16.993,33.286 17.023,33.316 17.023,33.556 16.993,33.586 16.207,33.586 16.177,33.616 16.177,33.856 16.207,33.886 16.993,33.886 17.023,33.916 17.023,34.156 16.993,34.186 16.681,34.186 16.623,34.244 16.623,34.508 16.623,34.827 v1(17.023,35.227) 17.023,37.377 16.75,37.65 v1(16.75,38.5)
  L6 (Sig) w0.1: v1(16.423,20.977) 16.025,20.977 15.685,20.977 15.627,21.036 15.627,21.477 15.582,21.522 15.372,21.522 15.327,21.477 15.327,21.009 15.282,20.964 15.072,20.964 15.027,21.009 15.027,21.477 14.982,21.522 14.772,21.522 14.727,21.477 14.727,21.009 14.682,20.964 14.472,20.964 14.427,21.009 14.427,21.477 14.382,21.522 14.172,21.522 14.127,21.477 14.127,21.009 14.082,20.964 13.872,20.964 13.827,21.009 13.827,21.477 13.782,21.522 13.572,21.522 13.527,21.477 13.527,21.036 13.468,20.977 13.418,20.977 13.281,20.977 13.223,20.919 13.223,20.427 13.423,20.227 13.423,18.177 13.459,18.141 13.523,18.077 13.653,18.077 13.712,18.136 13.712,18.473 13.757,18.518 13.967,18.518 14.012,18.473 14.012,18.065 14.057,18.02 14.267,18.02 14.312,18.065 14.312,18.473 14.357,18.518 14.567,18.518 14.612,18.473 14.612,18.065 14.657,18.02 14.867,18.02 14.912,18.065 14.912,18.473 14.957,18.518 15.167,18.518 15.212,18.473 15.212,18.065 15.257,18.02 15.467,18.02 15.512,18.065 15.512,18.473 15.557,18.518 15.767,18.518 15.812,18.473 15.812,18.065 15.857,18.02 16.067,18.02 16.112,18.065 16.112,18.473 16.157,18.518 16.367,18.518 16.412,18.473 16.412,18.065 16.457,18.02 16.667,18.02 16.712,18.065 16.712,18.473 16.757,18.518 16.967,18.518 17.012,18.473 17.012,18.065 17.057,18.02 17.267,18.02 17.312,18.065 17.312,18.473 17.357,18.518 17.567,18.518 17.612,18.473 17.612,18.136 17.67,18.077 18.02,18.077 18.223,18.077 18.423,18.277 18.423,19.296 18.423,19.527 18.364,19.586 17.973,19.586 17.928,19.631 17.928,19.841 17.973,19.886 18.395,19.886 18.44,19.931 18.44,20.141 18.395,20.186 17.973,20.186 17.928,20.231 17.928,20.441 17.973,20.486 18.364,20.486 18.423,20.544 18.423,20.883 18.434,20.894 18.717,21.177 18.745,21.177 18.795,21.177 18.853,21.236 18.853,21.532 18.898,21.577 19.108,21.577 19.153,21.532 19.153,21.218 19.198,21.173 19.408,21.173 19.453,21.218 19.453,21.532 19.498,21.577 19.708,21.577 19.753,21.532 19.753,21.218 19.798,21.173 20.008,21.173 20.053,21.218 20.053,21.532 20.098,21.577 20.308,21.577 20.353,21.532 20.353,21.218 20.398,21.173 20.608,21.173 20.653,21.218 20.653,21.532 20.698,21.577 20.908,21.577 20.953,21.532 20.953,21.218 20.998,21.173 21.208,21.173 21.253,21.218 21.253,21.532 21.298,21.577 21.508,21.577 21.553,21.532 21.553,21.218 21.598,21.173 21.808,21.173 21.853,21.218 21.853,21.532 21.898,21.577 22.108,21.577 22.153,21.532 22.153,21.218 22.198,21.173 22.408,21.173 22.453,21.218 22.453,21.532 22.498,21.577 22.708,21.577 22.753,21.532 22.753,21.218 22.798,21.173 23.008,21.173 23.053,21.218 23.053,21.532 23.098,21.577 23.308,21.577 23.353,21.532 23.353,21.218 23.398,21.173 23.608,21.173 23.653,21.218 23.653,21.532 23.698,21.577 23.908,21.577 23.953,21.532 23.953,21.218 23.998,21.173 24.208,21.173 24.253,21.218 24.253,21.532 24.298,21.577 24.508,21.577 24.553,21.532 24.553,21.218 24.598,21.173 24.808,21.173 24.853,21.218 24.853,21.532 24.898,21.577 25.108,21.577 25.153,21.532 25.153,21.236 25.212,21.177 25.407,21.177 25.423,21.177 v1(25.723,20.877)
  L8 (Sig) w0.1: v1(16.75,38.5) R702.1@16.75,39.06
DDR_NRAS: R703.1 U300.P4 U800.J3 U801.J3 | length 81.7
  L1 (Sig) w0.1: U801.J3@18.623,18.127 18.623,17.677 v1(19.323,16.977)
  L4 (Sig) w0.1: v1(19.323,16.977) 19.764,16.977 19.823,17.036 19.823,19.977 20.123,20.277 20.123,27.276 20.123,27.81 20.181,27.869 20.347,27.869 20.377,27.899 20.377,28.139 20.347,28.169 20.101,28.169 20.071,28.199 20.071,28.439 20.101,28.469 20.347,28.469 20.377,28.499 20.377,28.739 20.347,28.769 20.181,28.769 20.123,28.827 20.123,28.877 20.123,29.029 20.623,29.529 20.623,31.577 20.123,32.077 20.123,32.927 v1(18.623,34.427) 19.025,34.829 19.025,37.225 20.27,38.47 20.47,38.47 v1(20.5,38.5)
  L6 (Sig) w0.1: v1(19.323,16.977) 11.031,16.977 10.973,16.919 10.973,13.027 11.123,12.877 11.158,12.842 11.241,12.842 11.309,12.91 11.373,12.91 11.521,12.762 11.521,12.698 11.302,12.479 11.302,12.415 11.451,12.267 11.514,12.267 11.733,12.486 11.797,12.486 11.946,12.337 11.946,12.274 11.726,12.054 11.726,11.991 11.875,11.842 11.939,11.842 12.158,12.061 12.221,12.061 12.37,11.913 12.37,11.849 12.151,11.63 12.151,11.567 12.299,11.418 12.363,11.418 12.582,11.637 12.646,11.637 12.794,11.489 12.794,11.425 12.575,11.206 12.575,11.142 12.723,10.994 12.787,10.994 13.006,11.213 13.07,11.213 13.218,11.064 13.218,11.001 12.999,10.782 12.999,10.718 13.148,10.569 13.211,10.569 13.431,10.789 13.494,10.789 13.643,10.64 13.643,10.577 13.423,10.357 13.423,10.294 13.572,10.145 13.636,10.145 13.704,10.213 13.787,10.213 13.871,10.129 14.923,9.077 32.323,9.077 33.623,10.377 33.623,18.577 34.023,18.977 35.021,18.977 35.323,19.279 35.323,19.577 35.523,19.777 36.023,19.777 36.123,19.877 36.123,21.377 v1(35.723,21.777)
  L8 (Sig) w0.1: v1(20.5,38.5) R703.1@20.5,39.06
DDR_NRST: R726.2 U300.B4 U800.T2 U801.T2 | length 73.1
  L1 (Sig) w0.1: v1(6.15,19.05) 11.35,19.05 11.475,18.925 12.069,18.925 12.071,18.927 v1(13.023,18.927) ; R726.2@11,36.25 11,35.7 v1(11.35,35.35) 11.418,35.35 11.569,35.198 12.994,35.198 v1(13.023,35.227)
  L4 (Sig) w0.1: v1(6.15,19.05) 6.15,31.85 6.05,31.95 6.05,34.75 6.65,35.35 v1(11.35,35.35)
  L6 (Sig) w0.1: v1(6.15,19.05) 6.15,31.15 6.35,31.35 6.95,31.35 7.35,31.75 33.448,31.75 33.821,31.377 v1(35.723,31.377)
DDR_NWE: R705.1 U300.M5 U800.L3 U801.L3 | length 92.2
  L1 (Sig) w0.1: v1(8.923,16.277) 16.964,16.277 17.023,16.336 U801.L3@17.023,18.127 ; v1(8.923,32.377) 16.964,32.377 17.023,32.436 U800.L3@17.023,34.427
  L4 (Sig) w0.1: v1(8.923,16.277) 8.923,30.381 8.923,30.431 8.864,30.489 8.5,30.489 8.47,30.519 8.47,30.759 8.5,30.789 8.952,30.789 8.982,30.819 8.982,31.059 8.952,31.089 8.5,31.089 8.47,31.119 8.47,31.359 8.5,31.389 8.952,31.389 8.982,31.419 8.982,31.659 8.952,31.689 8.5,31.689 8.47,31.719 8.47,31.959 8.5,31.989 8.864,31.989 8.923,32.048 8.923,32.372 v1(8.923,32.377)
  L6 (Sig) w0.1: v1(8.923,16.277) 8.923,27.219 8.981,27.277 9.623,27.277 9.673,27.277 9.732,27.336 9.732,27.347 9.762,27.377 10.002,27.377 10.032,27.347 10.032,27.207 10.062,27.177 10.302,27.177 10.332,27.207 10.332,27.347 10.362,27.377 10.602,27.377 10.632,27.347 10.632,27.207 10.662,27.177 10.902,27.177 10.932,27.207 10.932,27.347 10.962,27.377 11.202,27.377 11.232,27.347 11.232,27.207 11.262,27.177 11.502,27.177 11.532,27.207 11.532,27.347 11.562,27.377 11.802,27.377 11.832,27.347 11.832,27.207 11.862,27.177 12.102,27.177 12.132,27.207 12.132,27.347 12.162,27.377 12.402,27.377 12.432,27.347 12.432,27.207 12.462,27.177 12.702,27.177 12.732,27.207 12.732,27.347 12.762,27.377 13.002,27.377 13.032,27.347 13.032,27.207 13.062,27.177 13.302,27.177 13.332,27.207 13.332,27.347 13.362,27.377 13.602,27.377 13.632,27.347 13.632,27.207 13.662,27.177 13.902,27.177 13.932,27.207 13.932,27.347 13.962,27.377 14.202,27.377 14.232,27.347 14.232,27.207 14.262,27.177 14.502,27.177 14.532,27.207 14.532,27.347 14.562,27.377 14.802,27.377 14.832,27.347 14.832,27.207 14.862,27.177 15.102,27.177 15.132,27.207 15.132,27.347 15.162,27.377 15.402,27.377 15.432,27.347 15.432,27.207 15.462,27.177 15.702,27.177 15.732,27.207 15.732,27.347 15.762,27.377 16.002,27.377 16.032,27.347 16.032,27.336 16.09,27.277 16.187,27.277 27.823,27.277 28.723,28.177 32.723,28.177 33.171,27.729 35.069,27.729 35.323,27.475 35.323,27.177 35.523,26.977 36.664,26.977 36.923,26.719 36.923,23.777 v1(36.523,23.377)
  L8 (Sig) w0.1: R705.1@5.38,37 5.8,37 7.5,35.3 7.5,33.8 v1(8.923,32.377)